# Altium PCB LM298N.PcbDoc
Units mil, origin at the board's own origin, x right, y up, seen from the top; angles counter-clockwise.
Board outline 2290 x 1620 mil, 2 copper layers (Top Layer, Bottom Layer); 32 components, 21 nets, 110 pads, 0 vias.
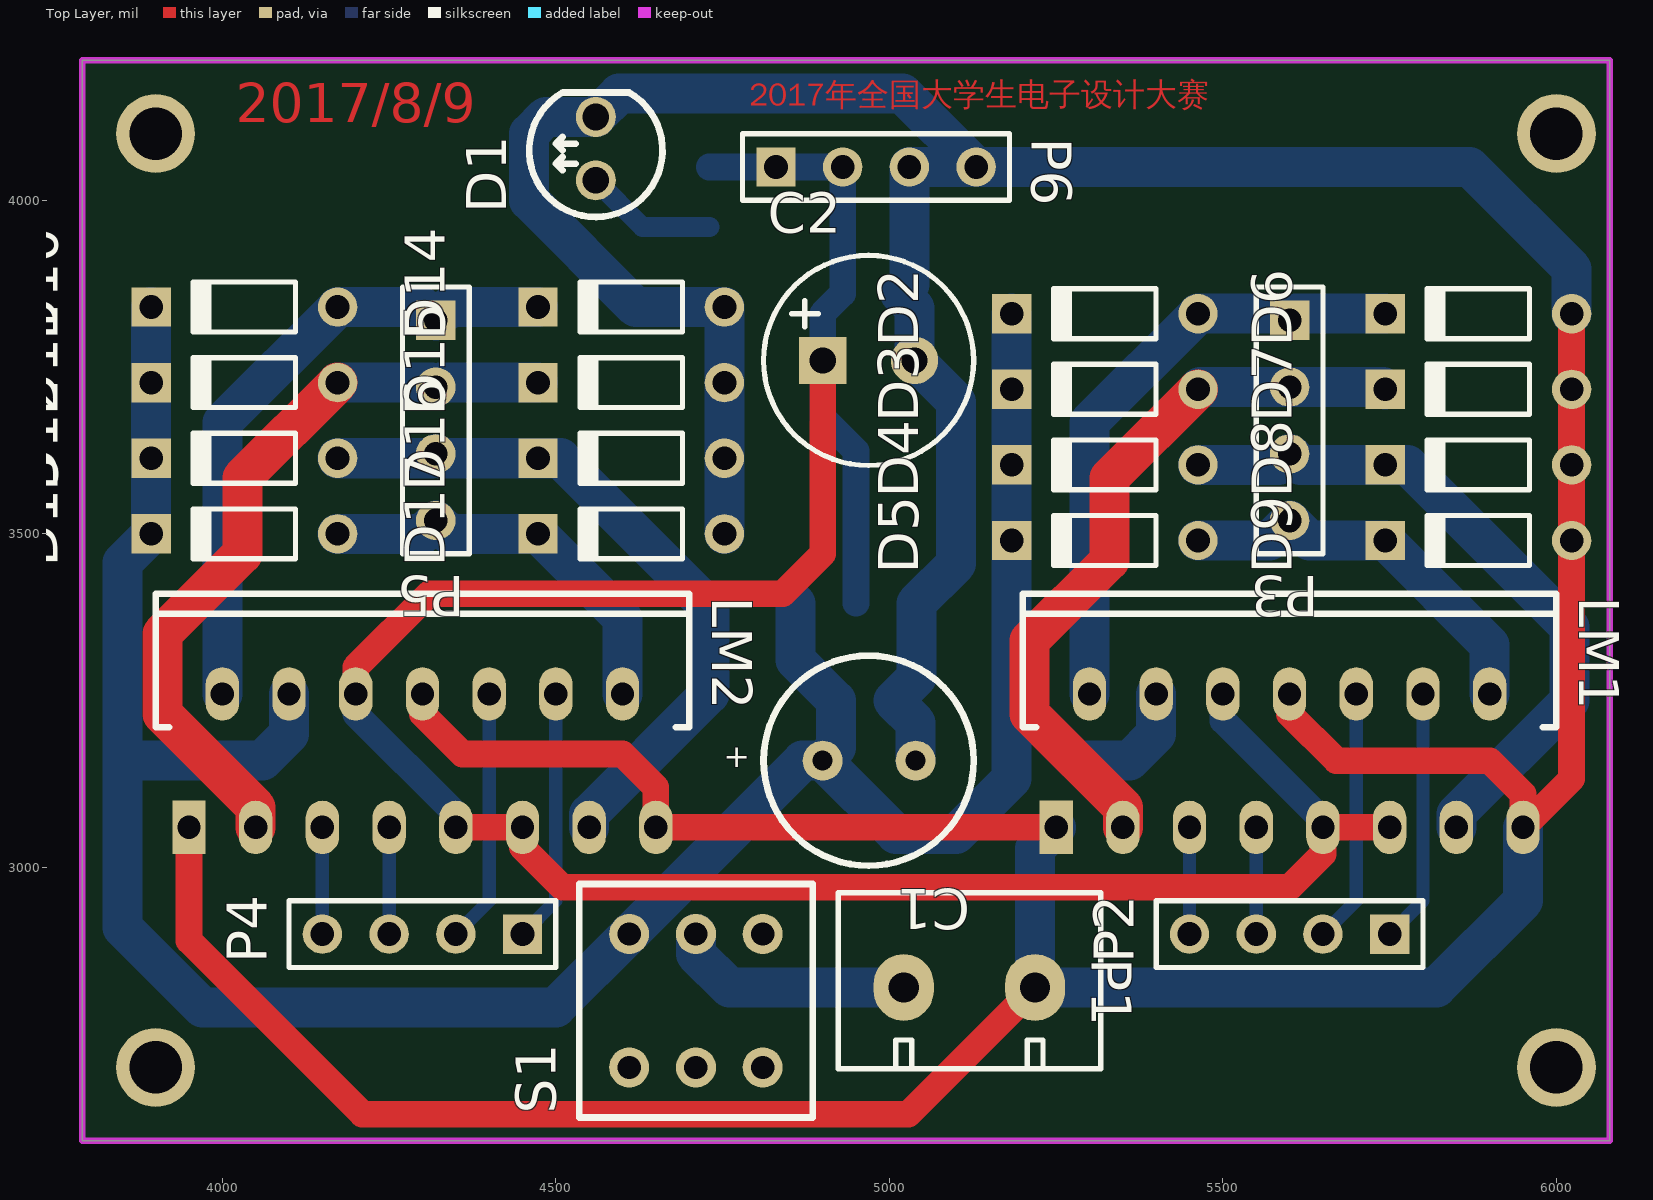
[diagram p0: Top Layer view]
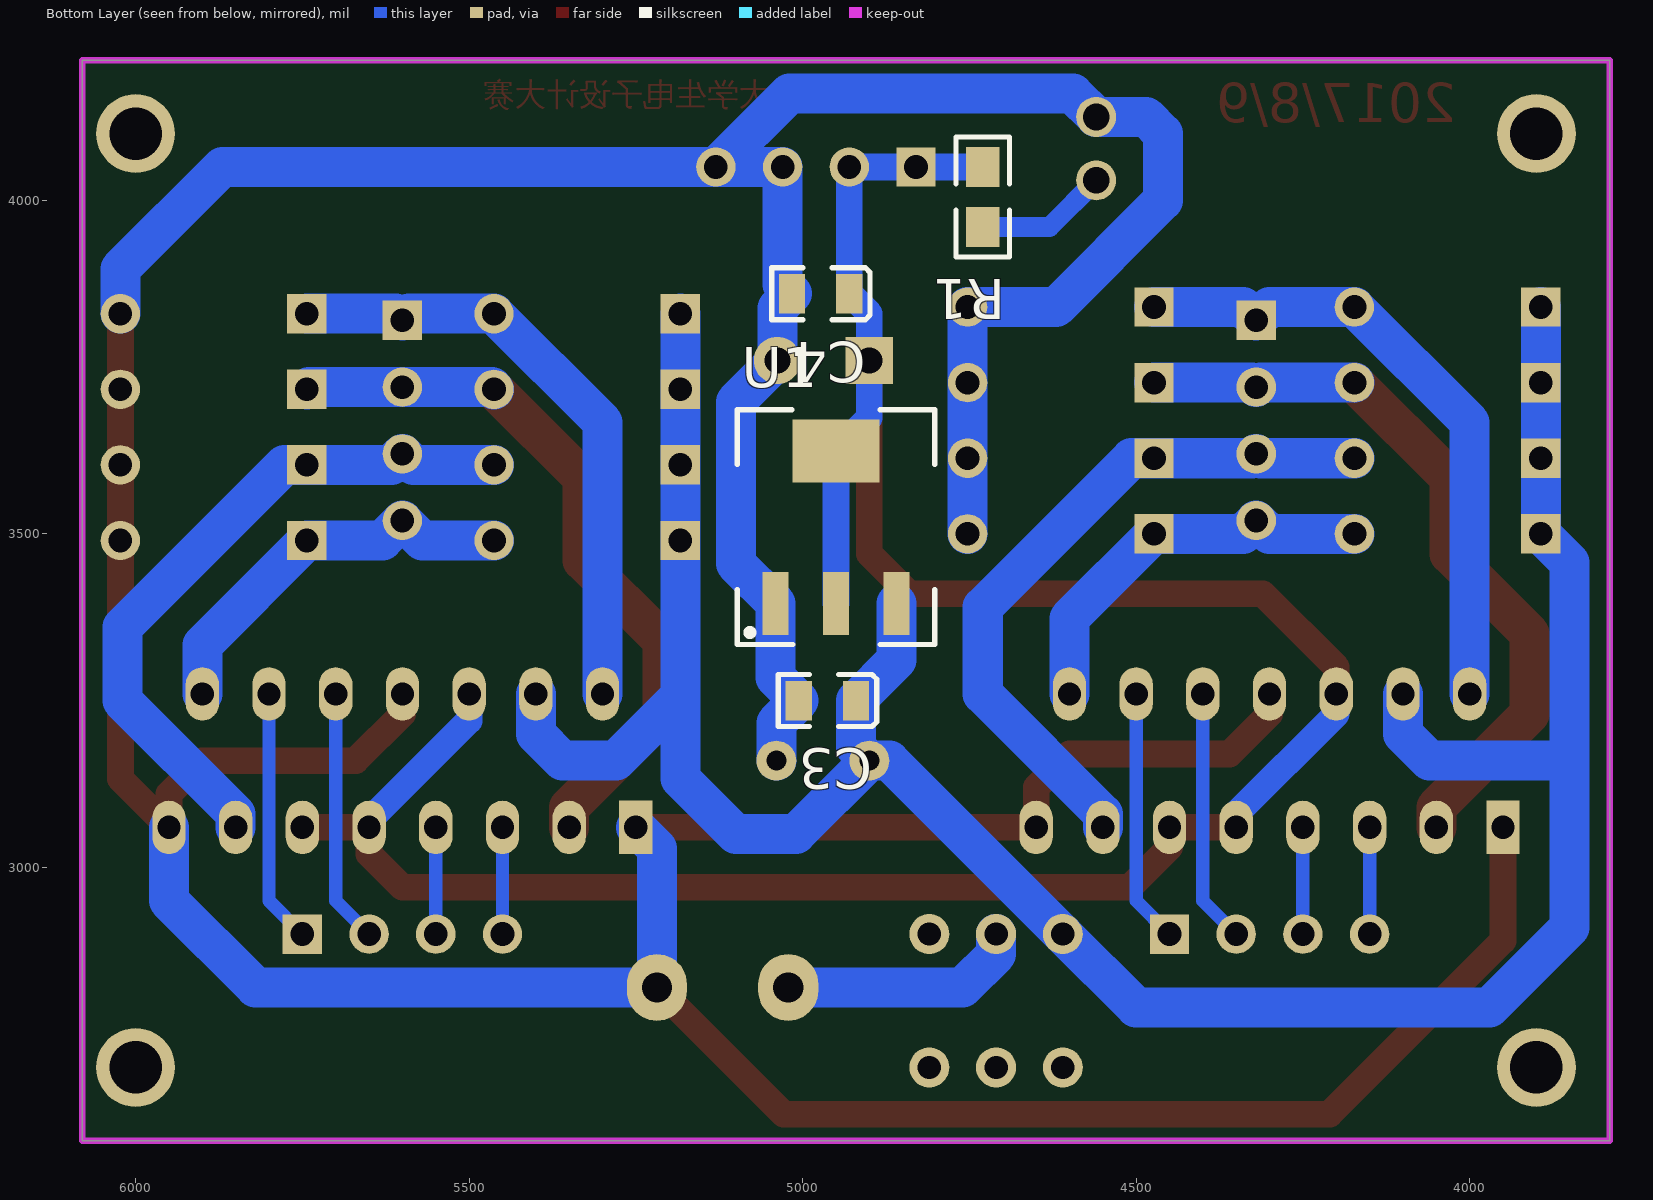
[diagram p1: Bottom Layer view, seen from below]
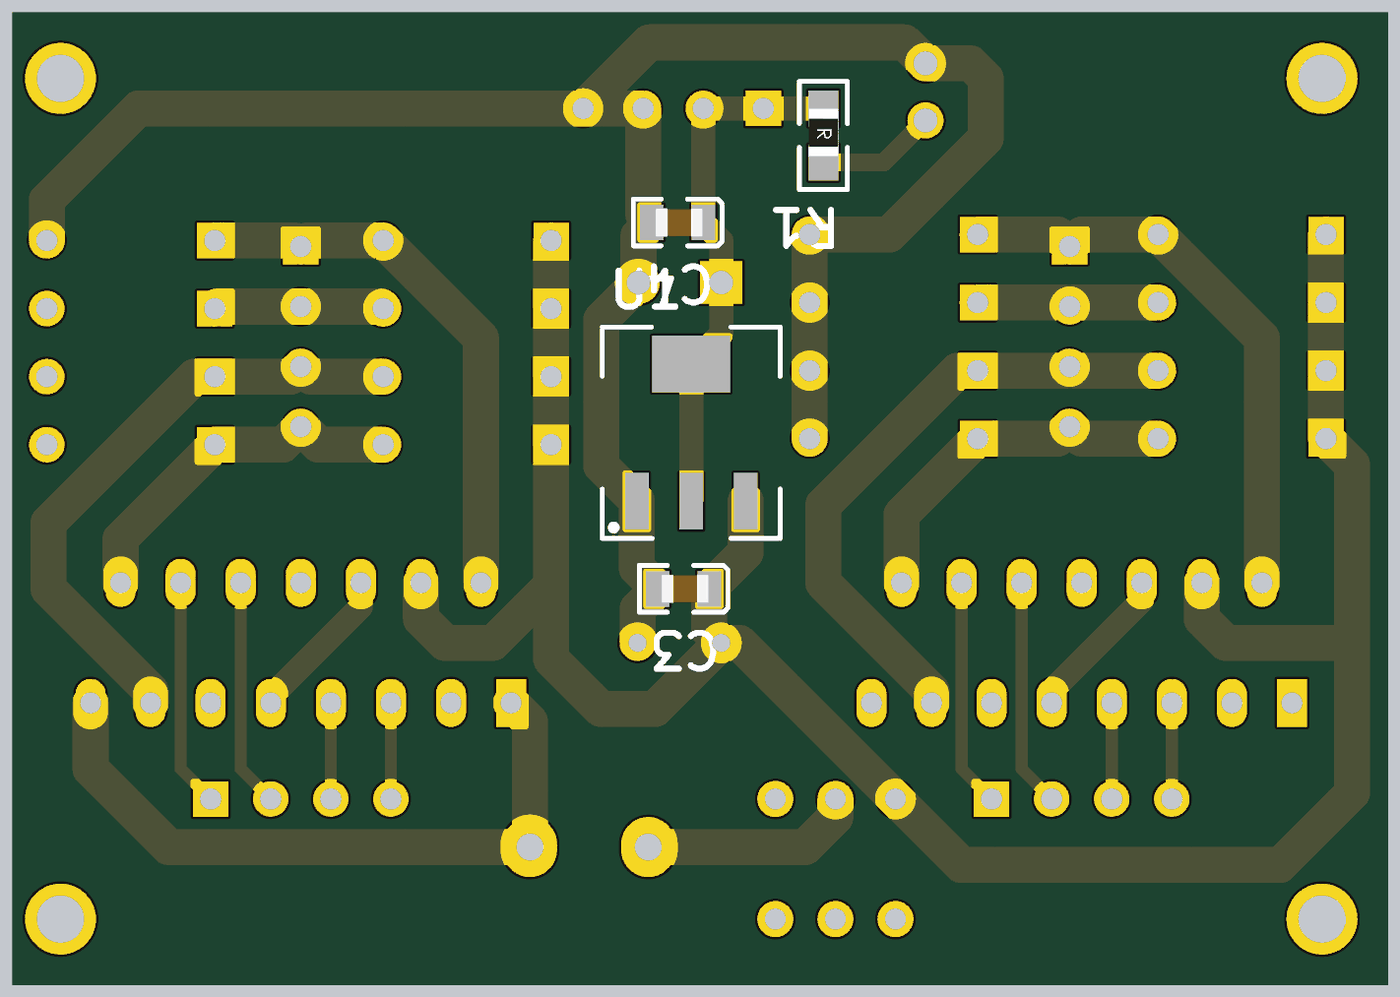
[diagram p2: 3D render of the assembled board from below, using the file's embedded part models]

## Layer stack, top to bottom
Top Solder: solder mask 0.4, Solder Resist, Dk 3.5
Top Layer: signal copper 1.4
Dielectric1: dielectric 12.6, FR-4, Dk 4.8
Bottom Layer: signal copper 1.4
Bottom Solder: solder mask 0.4, Solder Resist, Dk 3.5

## Board outline
3790,2590 6080,2590 6080,4210 3790,4210

## Design rules (kind name [scope] priority, off if disabled: settings)
Clearance [All] p1: gap=10
PolygonConnect [All] p1: connectstyle=Relief reliefconductorwidth=10 reliefentries=4 polygonreliefangle="90 Angle" airgapwidth=10
RoutingVias [All] p1: holewidth=35 width=40 viastyle="Through Hole" minholewidth=28 minwidth=50 maxholewidth=50 maxwidth=100
SilkToSilkClearance [All] p1: silktosilkclearance=0
SilkToSolderMaskClearance SilkscreenOverComponentPads [IsPad] p1: minsilkscreentomaskgap=0 clearancetoexposedcopper=TRUE
SolderMaskExpansion [All] p1: expansion=4
Width [All] p1: maxlimit=196.85 minlimit=10 preferedwidth=30
28 further rules are at their usual default settings.

## Components (designator, comment, footprint, x,y, rotation, side; value= is the part's Value field where it differs from the comment)
C1 "Cap Pol1" CAP-E1 4900,3160 r180 top
C2 "Cap Pol2" C-RB-8 4900,3760 r0 top
C3 "Cap" C-0805 4920,3250 r0 bottom
C4 "Cap" C-0805 4930,3860 r0 bottom
D1 "LED0" LED 4560,4030 r90 top
D2 "Diode 1N4007" DIODE-AXL 5323,3830 r180 top
D3 "Diode 1N4007" DIODE-AXL 5323,3716.67 r180 top
D4 "Diode 1N4007" DIODE-AXL 5323,3603.33 r180 top
D5 "Diode 1N4007" DIODE-AXL 5323,3490 r180 top
D6 "Diode 1N4007" DIODE-AXL 5883,3830 r180 top
D7 "Diode 1N4007" DIODE-AXL 5883,3716.67 r180 top
D8 "Diode 1N4007" DIODE-AXL 5883,3603.33 r180 top
D9 "Diode 1N4007" DIODE-AXL 5883,3490 r180 top
D10 "Diode 1N4007" DIODE-AXL 4033,3840 r180 top
D11 "Diode 1N4007" DIODE-AXL 4033,3726.67 r180 top
D12 "Diode 1N4007" DIODE-AXL 4033,3613.33 r180 top
D13 "Diode 1N4007" DIODE-AXL 4033,3500 r180 top
D14 "Diode 1N4007" DIODE-AXL 4613,3840 r180 top
D15 "Diode 1N4007" DIODE-AXL 4613,3726.67 r180 top
D16 "Diode 1N4007" DIODE-AXL 4613,3613.33 r180 top
D17 "Diode 1N4007" DIODE-AXL 4613,3500 r180 top
LM1 "U1" L298N 5250,3060 r0 top
LM2 "U2" L298N 3950,3060 r0 top
P1 "Header 2" 接线柱 5120,2820 r0 top
P2 "" HDR1X4 5750,2900 r180 top
P3 "接电机" HDR1X4 5600,3820 r270 top
P4 "" HDR1X4 4450,2900 r180 top
P5 "接电机" HDR1X4 4320,3820 r270 top
P6 "Header 4" HDR1X4 4830,4050 r0 top
R1 "Res2" 0805 4730,4010 r270 bottom
S1 "SW-SPST" SW-6pin 4710,2800 r90 top
U1 "AMS1117" AMS1117 4950,3510 r180 bottom

## Footprints (in the part's own frame and the unit in brackets; to place one, negate y for a bottom-side part, rotate by r counter-clockwise, add the part's x,y. Pads: shape width x height; smd on the part's side, far side on the other; paste and mask are expansions set on the pad)
0805 [mil]
  rect 60x50 smd: 1(-40,0) 2(50,0)
  silkscreen extent -85,-40 95,40, body extent -39,-24 39,29, height 26
AMS1117 [mm]
  rect 1x2.4 smd: 1(-2.3,-2.9) 2(0,-2.9) 3(2.3,-2.9)
  rect 3.3x2.4 smd: 2(0,2.9)
  silkscreen extent -3.76,-4.47 3.76,4.47, body extent -3.4,-1.9 3.4,1.9, height 3
C-0805 [mm]
  rect 1x1.5 smd: 1(0,0) 2(2.184,0)
  silkscreen extent -0.79,-0.99 2.96,0.99, body extent 0.02,-0.6 2.02,0.6, height 0.95
C-RB-8 [mm] "35V 220UF电容"
  rect 1.8x1.8 hole 1: 1(0,0)
  round 1.8 hole 1: 2(3.5,0)
  silkscreen extent -2.25,-4 5.75,4
CAP-E1 [mil]
  round 60 hole 30: 1(0,0) 2(-139.37,0)
  silkscreen extent -226,-157 89,157
DIODE-AXL [mm] "直插二极管"
  round 1.5 hole 0.9: 1(-3.55,0)
  rect 1.5x1.5 hole 0.9: 2(3.55,0)
  silkscreen extent -1.95,-0.95 2.05,0.95
HDR1X4 [mm] "Connector; Header; 4 Position"
  rect 1.5x1.5 hole 0.9: 1(0,0)
  round 1.5 hole 0.9: 2(2.54,0) 3(5.08,0) 4(7.62,0)
  silkscreen extent -1.27,-1.27 8.89,1.27
L298N [mil]
  rect 50x80 hole 35: 1(0,0)
  oval 50x80 hole 35: 2(50,200) 3(100,0) 4(150,200) 5(200,0) 6(250,200) 7(300,0) 8(350,200) 9(400,0) 10(450,200) 11(500,0) 12(550,200) 13(600,0) 14(650,200) 15(700,0)
  silkscreen extent -50,150 750,350
LED [mil]
  round 60 hole 40: 1(0,0) 2(95,0)
  silkscreen extent -55,-100 132,100
SW-6pin [mil]
  round 60 hole 35: 1(100,100) 2(100,0) 3(100,-100) 4(-100,-100) 5(-100,0) 6(-100,100)
  silkscreen extent -175,-175 175,175
接线柱 [mil]
  oval 90x100 hole 45: 1(-98.43,0) 2(98.43,0)
  silkscreen extent -197,-122 197,142

## Part data
C1: "Polarized Capacitor (Radial)"
C2: "Polarized Capacitor (Axial)"
C3 C4: "Capacitor"
D1: "Typical INFRARED GaAs LED"
D2 D3 D4 D5 D6 D7 D8 D9 D10 D11 D12 D13 D14 D15 D16 D17: "1 Amp General Purpose Rectifier"
LM1 LM2: library part LM2
P1: "Header, 2-Pin"
P2 P3 P4 P5: library part "Header 4", "Header, 4-Pin"
P6: "Header, 4-Pin"
R1: "Resistor"
S1: "Single-Pole, Single-Throw Switch"

## Free pads (board coordinates)
  round 118.11 hole 78.74: 2(6000,4100) 3(6000,2700) 4(3900,2700) 5(3900,4100)

## Nets (pads, with @x,y where several pads share a name; then routed paths per layer and width w, separated by ;. In a path a pad name is that pad's centre, name@x,y a point inside that pad or via, vN(x,y) a via of type N, cw(c..) or ccw(c..) an arc to the next point about the centre after c; other vN are vias at no path point)
DC+: C1.1 C3.1 D2.2 D3.2 D4.2 D5.2 D10.2 D11.2 D12.2 D13.2 LM1.4 LM2.4 S1.1 U1.3 | length 4190.1
  Bottom Layer w60: D10.2 D11.2 D13.2 3850,3456.76 3850,3160 ; LM2.4 4100,3200 4060,3160 3850,3160 ; U1.3 4859.45,3310.55 C3.1 4920,3180 C1.1 ; D2.2 D3.2 D4.2 D5.2 5183.24,3256.76 ; LM1.4 5400,3200 5360,3160 5280,3160 5183.24,3256.76 ; 3850,3160 3850,2910 3970,2790 4500,2790 S1.1 4870,3160 C1.1 ; C1.1 5010,3050 5100,3050 5183.24,3133.24 5183.24,3256.76
GND: C1.2 C2.2 C3.2 C4.2 D1.2 D6.1 D7.1 D8.1 D9.1 D14.1 D15.1 D16.1 D17.1 LM1.1 LM1.8 LM1.15 LM2.1 LM2.8 LM2.15 P1.2 P6.3 P6.4 U1.1 | length 8784.8
  Top Layer w40: LM2.1 3950,2890 4210,2630 5028.43,2630 P1.2 ; LM2.8 4300,3230 4360,3170 4600,3170 4650,3120 LM2.15 LM1.1 ; LM1.8 5600,3230 5670,3160 5900,3160 5950,3110 LM1.15 6022.76,3132.76 D9.1 D8.1 D7.1 D6.1
  Bottom Layer w60: D17.1 D14.1 4620,3840 4460,4000 4460,4100 4485,4125 D1.2 4595,4160 5020,4160 P6.4 ; C1.2 5039.37,3216.63 C3.2 5040.55,3284.55 U1.1 5100,3455.28 5100,3697.8 C2.2 5037.8,3838.2 C4.2 5030,3874 P6.3 P6.4 ; LM1.1 5218.43,3028.43 P1.2 5820,2820 5950,2950 LM1.15 ; D6.1 6022.76,3897.24 5870,4050 P6.4
NetD1_1: D1.1 R1.2 | length 199
  Bottom Layer w30: D1.1 4630,3960 R1.2
NetD2_1: D2.1 D6.2 LM1.2 P3.1 | length 926.2
  Bottom Layer w60: LM1.2 5300,3667.24 D2.1 5590,3830 P3.1 5610,3830 D6.2
NetD3_1: D3.1 D7.2 LM1.3 P3.2 | length 1102.6
  Top Layer w60: LM1.3 5350,3090 5210,3230 5210,3340 5330,3460 5330,3583.9 D3.1
  Bottom Layer w60: D3.1 5466.1,3720 P3.2 5739.9,3720 D7.2
NetD4_1: D4.1 D8.2 LM1.13 P3.3 | length 1042.3
  Bottom Layer w60: D4.1 5583.33,3603.33 P3.3 5616.67,3603.33 D8.2 5776.67,3603.33 6020,3360 6020,3250 5850,3080 LM1.13
NetD5_1: D5.1 D9.2 LM1.14 P3.4 | length 600.3
  Bottom Layer w60: D5.1 5570,3490 P3.4 5630,3490 D9.2 5900,3333.24 LM1.14
NetD10_1: D10.1 D14.2 LM2.2 P5.1 | length 968.6
  Bottom Layer w60: LM2.2 4000,3667.24 D10.1 4300,3840 P5.1 4340,3840 D14.2
NetD11_1: D11.1 D15.2 LM2.3 P5.2 | length 1139.5
  Top Layer w60: LM2.3 4050,3090 3910,3230 3910,3350 4030,3470 4030,3583.9 D11.1
  Bottom Layer w60: D11.1 4313.33,3726.67 P5.2 4326.67,3726.67 D15.2
NetD12_1: D12.1 D16.2 LM2.13 P5.3 | length 1059.8
  Bottom Layer w60: D12.1 4313.33,3613.33 P5.3 4326.67,3613.33 D16.2 4506.67,3613.33 4730,3390 4730,3260 4550,3080 LM2.13
NetD13_1: D13.1 D17.2 LM2.14 P5.4 | length 609.5
  Bottom Layer w60: D13.1 4300,3500 P5.4 4340,3500 D17.2 4600,3373.24 LM2.14
NetLM1_5: LM1.5 P2.4 | length 160
  Bottom Layer w20: P2.4 LM1.5
NetLM1_7: LM1.7 P2.3 | length 160
  Bottom Layer w20: P2.3 LM1.7
NetLM1_10: LM1.10 P2.2 | length 380.7
  Bottom Layer w20: P2.2 5700,2950 LM1.10
NetLM1_12: LM1.12 P2.1 | length 380.7
  Bottom Layer w20: P2.1 5800,2950 LM1.12
NetLM2_5: LM2.5 P4.4 | length 160
  Bottom Layer w20: P4.4 LM2.5
NetLM2_7: LM2.7 P4.3 | length 160
  Bottom Layer w20: P4.3 LM2.7
NetLM2_10: LM2.10 P4.2 | length 380.7
  Bottom Layer w20: P4.2 4400,2950 LM2.10
NetLM2_12: LM2.12 P4.1 | length 380.7
  Bottom Layer w20: P4.1 4500,2950 LM2.12
NetP1_1: P1.1 S1.2 | length 362.3
  Bottom Layer w60: S1.2 4710,2870 4760,2820 P1.1
VCC: C2.1 C4.1 LM1.6 LM1.9 LM1.11 LM2.6 LM2.9 LM2.11 P6.1 P6.2 R1.1 U1.2 | length 4027.6
  Top Layer w40: LM2.6 4200,3300 4310,3410 4840,3410 4900,3470 C2.1 ; LM2.9 LM2.11 4450,3030 4510,2970 5600,2970 5650,3020 LM1.9 LM1.11
  Bottom Layer w40: LM2.6 4200,3230 4350,3080 LM2.9 ; R1.1 P6.1 P6.2 C4.1 4900,3830 C2.1 4900,3674.17 4950,3624.17 U1.2@4950,3395.83 ; LM1.6 5500,3220 5650,3070 LM1.9
pads on no net: S1.3 S1.4 S1.5 S1.6

## Keep-outs
Keep-Out Layer:
  the board outline again, w10

## Other copper
Top Layer:
  text "2017年全国大学生电子设计大赛" at 4790,4130 h60
  text "2017/8/9" at 4019.91,4097.32 h100

## Text inside footprints (layer, text, board x,y; h text height)
C1: Top Overlay "+" at 4791.73,3179.68 h35 r180